# Allegro board reServer J2032_V1.brd (continued)
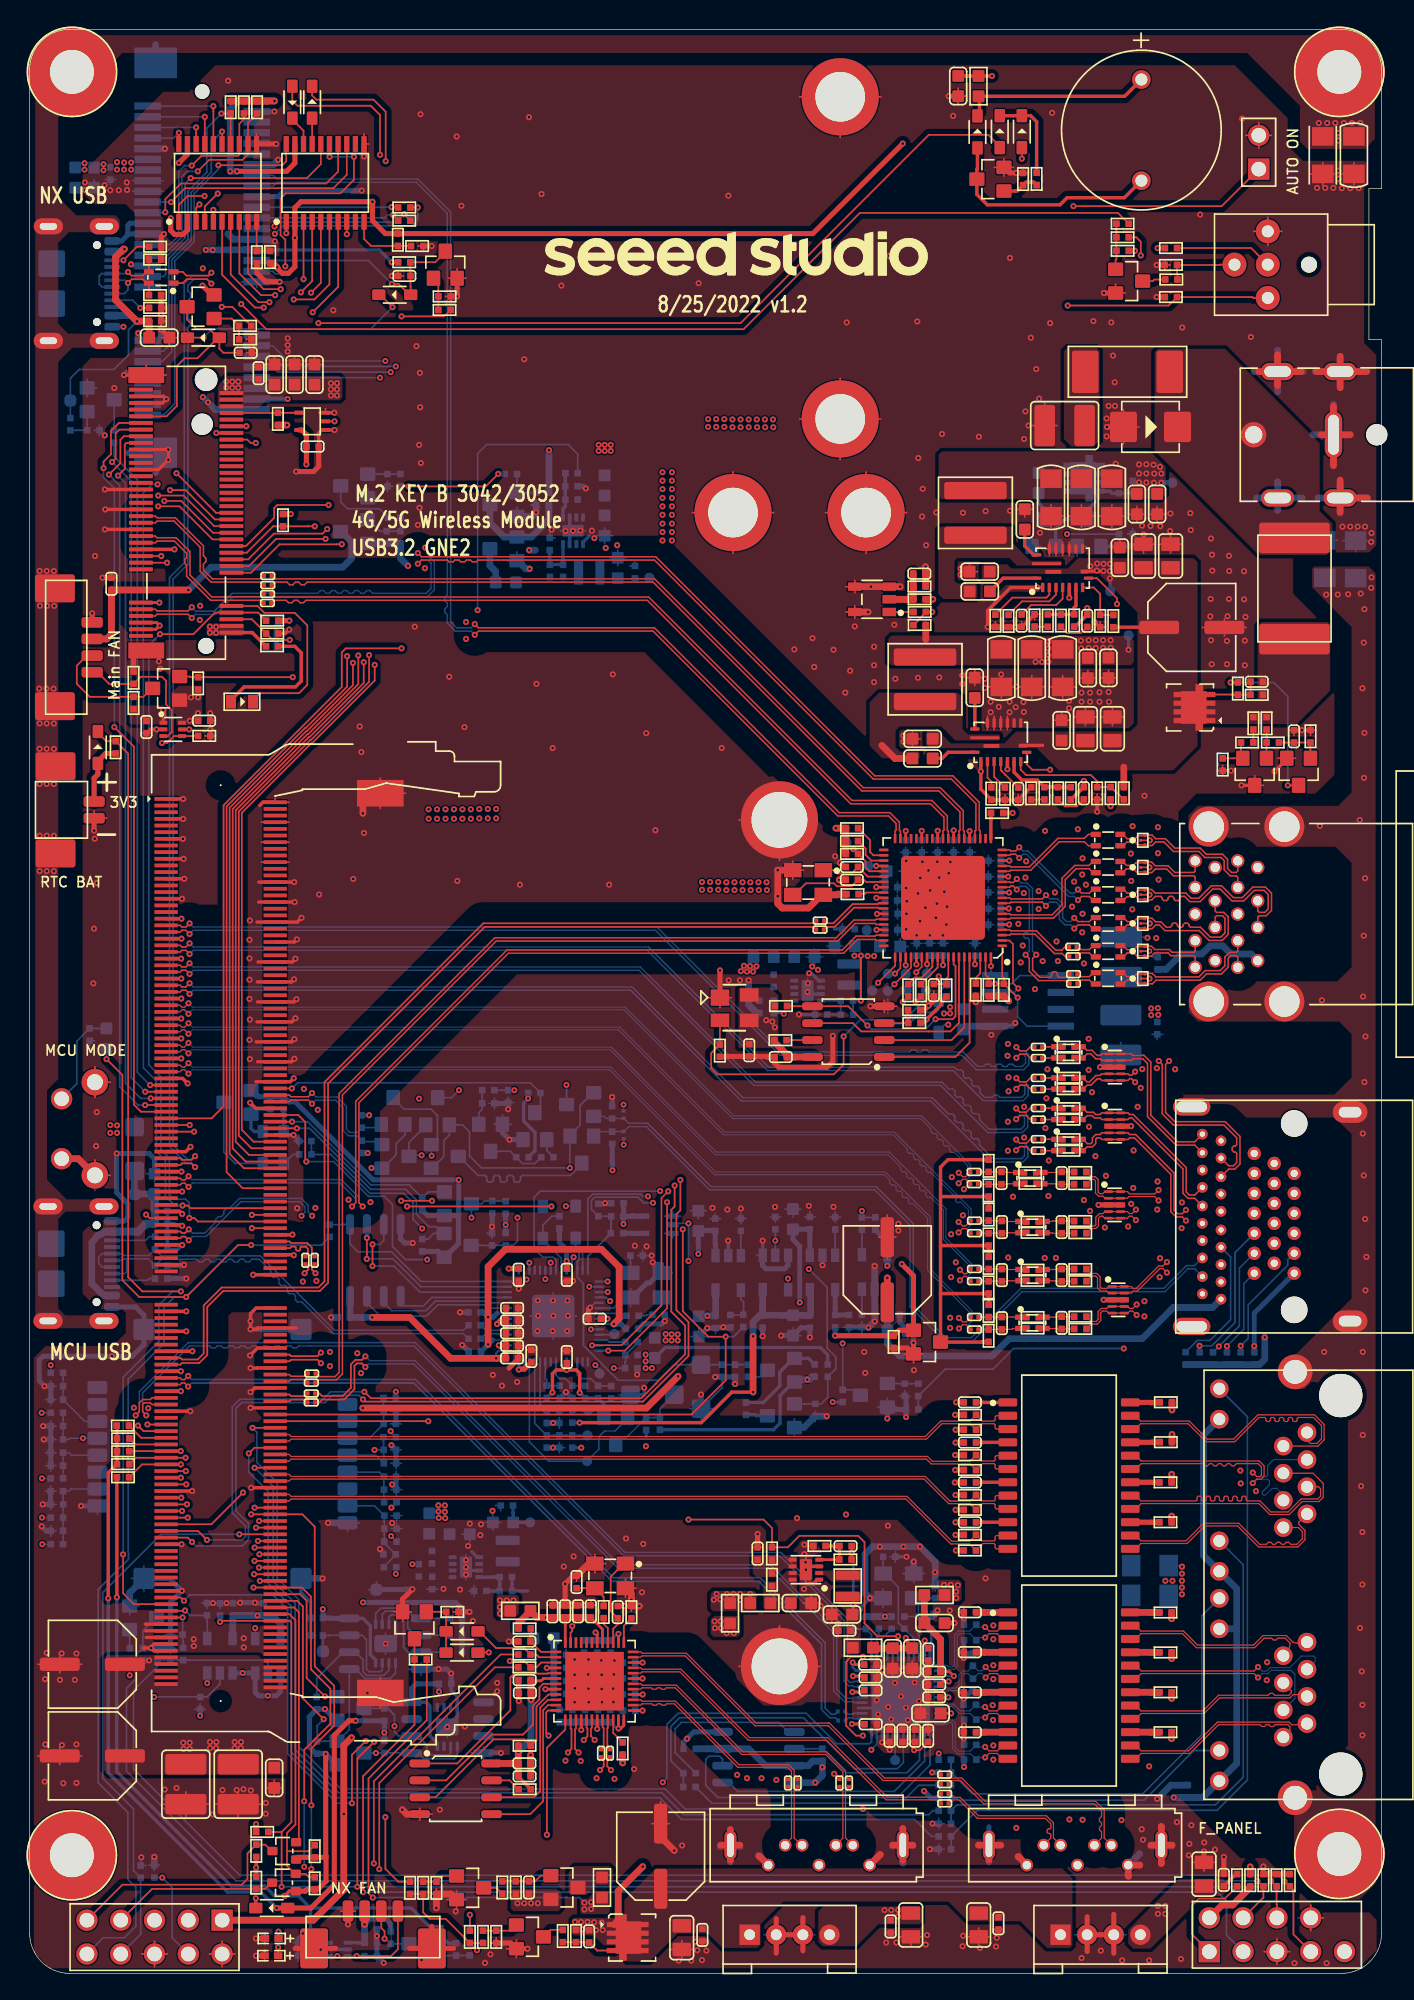
[diagram p0: board, top side]
## Routing (per net, layer and track width the routed paths; a pad name or vN(x,y) marks a point on that pad's centre or on a via; arc(x,y) is an arc through that point) (continued)
HUB_SSRX0_P: length 69.3
  TOP w0.109: C82.2 21.66,44.59 23.05,44.59 23.5,45.04 23.5,66 35.06,77.56 60.72,77.56 62.04,78.88 63.55,78.88 63.62,78.8 U17.53
HUB_SSRX1_N: length 9.9
  TOP w0.109: L8.1 79.91,83.54 79.61,83.24 78.54,83.24 77.58,82.28 77.58,80.27 76.84,79.53 73.73,79.53 73.66,79.6 U17.7
HUB_SSRX1_P: length 9.9
  TOP w0.109: U17.6 73.66,79.2 73.73,79.28 76.94,79.28 77.83,80.17 77.83,82.17 78.65,82.99 79.64,82.99 79.94,82.69 L8.4
HUB_SSRX2_N: length 8.1
  TOP w0.109: U17.16 73.66,83.2 73.73,83.13 75.13,83.13 77.27,85.27 79.27,85.27 79.57,85.57 L11.1
HUB_SSRX2_P: length 8.1
  TOP w0.109: L11.4 79.57,84.72 79.27,85.02 77.38,85.02 75.23,82.88 73.73,82.88 73.66,82.8 U17.15
HUB_SSRX3_N: length 59.3
  TOP w0.109: C248.2 18.35,103.16 19.27,103.16 19.45,102.98 19.71,102.98 19.88,103.16 20.14,103.16 20.32,102.98 20.58,102.98 20.76,103.16 46.42,103.16 61.7,87.87 67.7,87.87 68.72,86.85 68.72,85.9 68.64,85.82 U17.29
HUB_SSRX3_P: length 59.4
  TOP w0.109: U17.28 69.04,85.82 68.96,85.9 68.96,86.96 67.8,88.12 61.81,88.12 46.52,103.41 18.38,103.41 C247.2
HUB_SSTX0_N: length 5.2
  TOP w0.127: U17.49 63.81,80.4 63.74,80.33 61.85,80.33 60.4,78.89 59.89,78.89 C85.2
HUB_SSTX0_P: length 5.2
  TOP w0.127: U17.50 63.85,80 63.79,80.07 61.96,80.07 60.51,78.62 59.88,78.62 C84.2
HUB_SSTX1_N: length 5.8
  TOP w0.109: U17.4 73.66,78.4 73.73,78.33 75.66,78.33 77.12,76.87 77.42,76.87 77.57,76.88 77.57,76.88 77.8,77.12 C147.1
HUB_SSTX1_N1: length 1.7
  TOP w0.109: L9.1 79.94,77.22 79.64,76.92 78.89,76.92 C147.2
HUB_SSTX1_P: length 5.8
  TOP w0.109: C148.1 77.82,76.4 77.58,76.63 77.57,76.63 77.42,76.62 77.01,76.62 75.56,78.08 73.73,78.08 73.66,78 U17.3
HUB_SSTX1_P1: length 1.6
  TOP w0.109: L9.4 79.94,76.37 79.64,76.67 78.95,76.67 C148.2
HUB_SSTX2_N: length 12.7
  TOP w0.109: v1(75.65,76.53) 75.38,76.26 75.38,75.39 75.93,74.84 76.69,74.84 76.8,74.95 76.8,75.13 76.91,75.24 77.13,75.24 77.24,75.13 77.24,74.95 77.35,74.84 77.94,74.84 C149.1 ; U17.13 73.66,82 73.71,81.95 73.91,81.95 v1(74.18,82.23)
  BOTTOM w0.109: v1(75.65,76.53) 75.37,76.81 75.37,81.52 74.97,81.92 74.49,81.92 v1(74.18,82.23)
HUB_SSTX2_N1: length 1.6
  TOP w0.109: L12.1 79.94,75.18 79.64,74.88 78.92,74.88 C149.2
HUB_SSTX2_P: length 12.7
  TOP w0.109: C150.1 77.94,74.59 75.82,74.59 75.13,75.29 75.13,76.26 v1(74.85,76.53) ; v1(74.18,81.43) 73.91,81.71 73.76,81.71 73.66,81.6 U17.12
  BOTTOM w0.109: v1(74.18,81.43) 74.43,81.67 74.86,81.67 75.12,81.41 75.12,78.32 75.01,78.21 74.82,78.21 74.71,78.1 74.71,77.89 74.82,77.78 75.01,77.78 75.12,77.67 75.12,76.8 v1(74.85,76.53)
HUB_SSTX2_P1: length 1.6
  TOP w0.109: L12.4 79.94,74.33 79.64,74.63 79,74.63 C150.2
HUB_SSTX3_N: length 61.3
  TOP w0.109: C246.2 18.39,104.52 19.34,104.52 19.54,104.32 19.77,104.32 19.97,104.52 20.21,104.52 20.41,104.32 20.65,104.32 20.85,104.52 46.85,104.52 62.54,88.84 68.33,88.84 69.92,87.25 69.92,85.9 69.84,85.82 U17.26
HUB_SSTX3_P: length 61.4
  TOP w0.109: C245.2 18.39,104.77 46.96,104.77 62.65,89.08 68.44,89.08 70.16,87.36 70.16,85.9 70.24,85.82 U17.25
HUP_SPI_CLK: length 16.5
  TOP w0.127: U18.6 61.88,71.39 62.49,70.77 66.34,70.77 67.55,70.77 67.56,70.77 69.2,70.77 69.84,71.41 U17.70
HUP_SPI_CS: length 13.3
  TOP w0.127: U17.72 70.63,76.34 70.63,76.24 70.63,73.12 70.64,73.11 70.64,69.93 69.56,68.85 U18.1
HUP_SPI_SI: length 18.3
  TOP w0.127: v1(62.96,71.22) 61.52,72.66 U18.5 57.38,72.66 57.36,72.68 R129.2 ; v1(68.08,71.69) 69.36,71.69 69.58,71.91 69.58,75.67 69.44,75.81 U17.69
  BOTTOM w0.127: v1(62.96,71.22) 63.23,70.95 67.34,70.95 v1(68.08,71.69)
HUP_SPI_SO: length 11.7
  TOP w0.127: U18.2 69.28,70.12 70.24,71.08 U17.71
HUP_SPI_WP: length 5.8
  TOP w0.121: U18.3 65.57,71.39 65.58,71.41 R128.2 66.02,71.84 66.01,71.86 R130.1
  TOP w0.127: v1(66,71.89) 66,72.36 R130.1
  BOTTOM w0.127: TP21.1 67.36,73.23 66.75,72.62 66.73,72.62 v1(66,71.89)
I2C1_SCL: length 110.6
  TOP w0.127: v1(28.15,132.16) 28.15,132.14 R228.2 ; v1(11.35,39.24) J5.189 7.94,39.24 7.92,39.22 R89.2
  LYR3 w0.127: v1(11.35,39.24) 11.94,39.24 12.84,40.14 12.84,90.2 15.58,92.95 15.58,114.83 16.7,115.95 16.7,130.66 17.28,131.25 v1(18.4,131.25)
  BOTTOM w0.127: v1(28.15,132.16) 27.57,131.58 18.73,131.58 v1(18.4,131.25)
I2C1_SDA: length 113
  TOP w0.127: v1(11.72,38.74) J5.191 7.96,38.74 R90.2 ; v1(29.17,132.67) 28.61,132.67 R229.2
  LYR3 w0.127: v1(11.72,38.74) 12.55,38.74 13.07,39.25 13.07,89.85 15.96,92.74 15.96,114.64 17.05,115.73 17.05,130.41 17.34,130.69 v1(18.43,130.69)
  BOTTOM w0.127: v1(29.17,132.67) 29.17,131.73 28.74,131.3 19.03,131.3 v1(18.43,130.69)
I2C2_SCL: length 21.5
  TOP w0.127: J5.232 20.32,28.49 20.81,28 20.81,22.19 v1(22.19,20.81)
  BOTTOM w0.127: U34.6 27,22.78 26.61,22.39 25.34,22.39 25.05,22.67 25.05,23.57 24.5,24.13 U30.6 23.55,24.13 21.58,22.16 R247.2 22.15,20.77 v1(22.19,20.81) 22.21,20.79 Q35.2
I2C2_SDA: length 25.3
  TOP w0.127: J5.234 20.11,27.99 20.53,27.57 20.53,20.66 v1(22.09,19.1)
  BOTTOM w0.127: U34.5 27.5,22.57 27.09,22.16 25.2,22.16 24.5,22.86 U30.5 24.02,18.31 23.15,17.44 Q34.2 22.2,17.44 22.19,17.44 R245.2 21.6,18.6 v1(22.09,19.1)
I2S1_LRCK: length 93
  TOP w0.127: J5.224 v1(17.23,30.49) ; J15.28 16.25,107.23 18.37,109.36 18.37,110.09 18.6,110.32 v1(22.46,110.32)
  LYR3 w0.127: v1(22.46,110.32) 23.05,109.73 23.05,86.68 18.42,82.05 18.42,31.12 17.79,30.49 v1(17.23,30.49)
I2S1_SCLK: length 91.5
  TOP w0.127: v1(23.46,107.37) 23.08,107.37 23.07,107.36 18.77,107.36 16.64,105.23 J15.20 ; J5.226 v1(16.87,29.99)
  LYR3 w0.127: v1(16.87,29.99) 17.85,29.99 18.78,30.92 18.78,81.87 23.46,86.55 v1(23.46,107.37)
I2S1_SDIN: length 90.1
  TOP w0.127: v1(22.36,108.52) 22.01,108.17 18.36,108.17 16.42,106.23 J15.24 ; J5.222 v1(16.89,30.99)
  LYR3 w0.127: v1(16.89,30.99) 17.5,30.99 18.07,31.55 18.07,82.26 22.67,86.86 22.67,108.21 v1(22.36,108.52)
I2S1_SDOUT: length 87.4
  TOP w0.127: J5.220 v1(17.27,31.49) ; v1(22.23,107.77) 18.52,107.77 16.48,105.74 J15.22
  LYR3 w0.127: v1(17.27,31.49) 17.71,31.93 17.71,82.48 22.23,87 v1(22.23,107.77)
ID_I2C_SCL: length 3.2
  TOP w0.127: R87.2 8.38,40.24 J5.185
ID_I2C_SDA: length 3
  TOP w0.127: R88.2 7.94,39.74 J5.187
JMB_SPI_CS: length 14.5
  TOP w0.127: U21.5 38.96,22.55 38.93,22.52 36.41,22.52 36.13,22.23 36.13,19.77 32.13,15.77 U20.1
JMB_SPI_HOLD: length 2.3
  TOP w0.127: R265.2 36.07,14.5 U20.7
JMB_SPI_SCK: length 11.5
  TOP w0.127: U20.6 37.9,13.23 38.36,13.7 38.36,19.97 38.94,20.55 U21.10
JMB_SPI_SI: length 12.2
  TOP w0.127: U20.5 37.62,11.96 38.59,12.94 38.59,19.78 38.96,20.15 U21.11
JMB_SPI_SO: length 14.6
  TOP w0.127: U21.7 38.93,21.75 38.93,21.76 38.59,21.76 38.31,21.48 38.31,20.6 37.83,20.12 37.83,18.7 37.07,17.94 34.73,17.94 31.29,14.5 U20.2
JMB_SPI_WP: length 15.3
  TOP w0.127: U21.9 38.99,20.95 38.08,20.05 38.08,17.53 R131.2 37.17,17.58 34.86,17.58 30.51,13.23 U20.3
LAA_N79_TX_EN: length 84.5
  TOP w0.127: J15.60 16.35,115.24 16.61,114.98 v1(16.99,114.98) ; J5.199 v1(11.77,36.74)
  LYR3 w0.127: v1(11.77,36.74) 12.83,36.74 13.29,37.2 13.29,85.94 16.32,88.96 16.32,114.31 v1(16.99,114.98)
LED0: length 19.3
  BOTTOM w0.127: R94.2 51.26,12.78 65.47,12.78 66.81,14.13 R108.1
LED0_CTRL: length 3.5
  TOP w0.127: Q12.1 81.61,128.73 81.68,128.79 R81.2 81.68,129.99 81.67,129.99 R85.2 81.67,131.01 81.68,131.01 R83.2
LED0_SPI_SI: length 26.7
  BOTTOM w0.127: U16.30 65.66,18.03 65.66,15.83 65.21,15.37 61.99,15.37 58.15,19.21 48.85,19.21 48.19,18.55 48.19,15.98 R96.1 49.13,14.6 49.12,14.6 R94.1
LED3: length 7.3
  LYR3 w0.127: v1(63.26,16.8) 63.8,16.26 68.05,16.26 v1(68.32,16.52)
  BOTTOM w0.127: U16.35 63.67,17.45 63.66,17.44 63.66,17.2 v1(63.26,16.8) ; v1(68.32,16.52) R109.1
M2_RESET: length 83.5
  TOP w0.127: R214.2 15.23,125.2 v1(14.44,125.2) ; J5.124 12.07,57.49 11.87,57.69 v1(11.49,57.69)
  LYR3 w0.127: v1(9.61,111.87) 8.54,112.94 8.54,120.96 12.79,125.2 v1(14.44,125.2)
  BOTTOM w0.127: v1(9.61,111.87) 9.18,111.87 8.54,111.23 8.54,68.03 9.51,67.06 9.51,64.91 9.52,64.91 9.52,61.77 10.2,61.09 10.2,58.4 10.91,57.69 v1(11.49,57.69)
M2_USB3_RXN: length 12.3
  TOP w0.109: J15.29 9.44,107.49 9.57,107.61 10.87,107.61 11.8,106.69 11.8,106.36 11.67,106.24 11.67,105.93 11.8,105.8 11.8,104.96 13.59,103.16 17.39,103.16 C248.1
M2_USB3_RXP: length 12.3
  TOP w0.109: J15.31 9.44,107.99 9.57,107.86 11,107.86 12.04,106.82 12.04,105.06 13.7,103.41 17.38,103.41 C247.1
M2_USB3_TXN: length 12.4
  TOP w0.109: C246.1 17.4,104.52 13.63,104.52 12.81,105.34 12.81,107.15 10.85,109.11 9.57,109.11 9.44,108.99 J15.35
M2_USB3_TXP: length 12.5
  TOP w0.109: J15.37 9.44,109.49 9.57,109.36 10.95,109.36 13.06,107.25 13.06,106.5 13.24,106.32 13.24,106.06 13.06,105.88 13.06,105.44 13.73,104.77 17.4,104.77 C245.1
M2E_SUSCLK_32KHZ: length 5.1
  TOP w0.127: J15.68 18.2,117.24 18.21,117.25 R93.2 19.69,117.25 19.69,117.26 U14.4
M.2_ANTCTL0: length 53.5
  TOP w0.127: 7.15,113.56 7.15,114.86 7.27,114.99 J15.59 ; 7.15,113.56 7.15,113.04 v1(6.64,112.53) ; 7.15,113.56 7.15,113.36 ; J5.91 v1(9.1,65.74)
  BOTTOM w0.127: v1(9.1,65.74) 8.34,65.74 7.2,66.89 7.2,111.97 v1(6.64,112.53) 6.59,112.48 6.56,112.48
M.2_ANTCTL1: length 55
  TOP w0.127: J15.61 7.08,115.49 6.82,115.22 6.82,113.47 v1(5.95,112.61) ; J5.93 v1(8.68,65.24)
  BOTTOM w0.127: v1(5.95,112.61) 6.77,111.79 6.77,66.61 8.13,65.24 v1(8.68,65.24)
M.2_ANTCTL2: length 54.2
  TOP w0.127: v1(6.2,113.55) 6.46,113.82 6.46,115.71 6.74,115.99 J15.63 ; J5.89 v1(8.68,66.24)
  BOTTOM w0.127: v1(6.2,113.55) 7.63,112.12 7.63,67.3 v1(8.68,66.24)
M.2_ANTCTL3: length 56.9
  TOP w0.127: v1(5.55,113.09) 5.55,113.57 6.11,114.13 6.11,115.88 6.71,116.49 J15.65 ; v1(6.36,93.63) 7.83,92.16 7.83,65.27 8.37,64.74 J5.95
  BOTTOM w0.127: v1(6.36,93.63) 6.36,111.59 5.55,112.4 v1(5.55,113.09)
M.2_DPR: length 73.8
  TOP w0.127: J5.195 v1(11.73,37.74) ; J15.25 v1(9.89,106.49)
  LYR3 w0.127: v1(9.89,106.49) 9.89,105.52 10.86,104.55 10.86,92.11 10.25,91.5 10.25,68.74 10.93,68.05 10.93,63.46 10.55,63.08 10.55,38.21 11.02,37.74 v1(11.73,37.74)
M.2_MODULE_EN: length 76.3
  TOP w0.127: v1(17,33.49) 17.01,33.49 J5.212 ; J15.6 16.7,101.74 R220.1 18.25,100.18 v1(19.54,100.18)
  LYR3 w0.127: v1(17,33.49) 16.11,33.49 15.15,34.45 15.15,83.67 19.27,87.8 19.27,99.92 v1(19.54,100.18)
M.2_STATUS_LED: length 15.5
  TOP w0.127: J15.10 17.12,102.74 17.64,102.22 19.92,102.22 20.86,101.28 20.86,96.81 20.24,96.18 17.3,96.18 16.78,95.66 LED3.2
M.2_USIM_CLK: length 80
  TOP w0.121: J15.32 13.78,108.23 11.39,110.62 v1(10.12,110.62)
  LYR3 w0.121: v1(10.12,110.62) 10.12,111.23 9.89,111.46 9.38,111.46 7.5,109.58 7.5,46.59 6.61,45.7 v1(1.58,45.7)
  BOTTOM w0.121: R212.1 v1(1.58,45.7)
M.2_USIM_DATA: length 81.3
  TOP w0.121: v1(9.66,111.03) 11.57,111.03 13.86,108.74 J15.34
  LYR3 w0.121: v1(9.66,111.03) 7.78,109.15 7.78,46.16 3.74,42.12 v1(0.9,42.12)
  BOTTOM w0.121: R213.1 v1(0.9,42.12)
M.2_USIM_PWR: length 87.4
  TOP w0.121: 15.15,109.23 J15.36
  TOP w0.127: v1(10.55,111.44) 11.72,111.44 13.92,109.23 J15.36
  LYR3 w0.121: v1(0.92,34.25) 1.46,34.78 1.46,38.67 8.34,45.55 8.34,107.8
  LYR3 w0.127: v1(10.55,111.44) 10.55,110.01 8.34,107.8
  BOTTOM w0.121: R210.1 v1(0.92,34.25)
M.2_USIM_RESET: length 83.8
  TOP w0.121: v1(9.66,110.22) 11.26,110.22 13.74,107.74 J15.30
  LYR3 w0.121: v1(0.93,37.19) 0.93,38.72 8.06,45.85 8.06,108.62 v1(9.66,110.22)
  BOTTOM w0.121: R211.1 v1(0.93,37.19)
M.2_W_DISABLE1#: length 61.5
  TOP w0.127: J5.128 12.64,56.49 12.38,56.75 v1(12,56.75) ; R218.2 17.16,102.24 J15.8 13.92,102.24 12.3,100.62 v1(9.79,100.62)
  BOTTOM w0.127: v1(12,56.75) 12,57.89 11.72,58.17 10.83,58.17 10.5,58.5 10.5,61.25 9.86,61.88 9.86,67.34 8.95,68.26 8.95,99.78 v1(9.79,100.62)
M.2_W_DISABLE2#: length 62.5
  TOP w0.127: v1(21.42,108.72) 20.92,108.72 20.92,108.72 R219.2 18.3,108.72 16.31,106.74 J15.26 ; J5.126 v1(16.7,56.99)
  LYR3 w0.127: v1(21.42,108.72) 21.42,87.36 16.97,82.9 16.97,57.26 v1(16.7,56.99)
M.2_WLAN_TX_EN: length 85
  TOP w0.127: v1(11.03,112.71) 14.01,109.74 J15.38 ; J5.197 v1(11.36,37.24)
  LYR3 w0.127: v1(11.03,112.71) 11.49,112.25 11.49,109.1 9.46,107.07 9.46,105.34 10.55,104.25 10.55,92.36 9.89,91.7 9.89,68.61 10.55,67.95 10.55,63.63 10.14,63.23 10.14,37.88 10.78,37.24 v1(11.36,37.24)
M.2_WOWWAN#: length 75.2
  TOP w0.127: R216.2 8.44,38.24 J5.193 v1(11.36,38.24) ; J15.23 v1(10.32,105.99)
  LYR3 w0.127: v1(10.32,105.99) 11.21,105.1 11.21,92.03 10.63,91.45 10.63,68.87 11.34,68.16 11.34,63.33 10.93,62.92 10.93,38.67 v1(11.36,38.24)
MCU_ADC0: length 7
  BOTTOM w0.127: U10.38 38.35,42.78 C75.1 39.36,42.28 39.37,42.28 R64.1 40.32,42.28 40.34,42.3 R62.2 41.4,42.3 41.4,42.3 TP29.1
MCU_ADC1: length 9
  BOTTOM w0.127: TP30.1 41.35,40.42 41.35,40.42 R61.2 40.34,40.42 40.33,40.42 R63.1 39.37,40.42 39.37,40.42 C76.1 37.95,41.32 U10.39
MCU_ADC2: length 15.9
  BOTTOM w0.121: Q39.2 44.93,41.7 43.99,40.75 43.22,40.75 42.78,40.32 42.78,39.38 TP31.1
  BOTTOM w0.127: U10.40 37.55,39.93 39,38.49 TP31.1
MCU_BUZZER_EN: length 118.2
  TOP w0.121: v1(43.48,46.78) 44.73,46.78 47.9,49.96 47.9,55.86
  TOP w0.127: 47.9,55.86 v1(47.9,57.93) ; D10.1 v1(74.57,136.34)
  LYR3 w0.127: v1(47.9,57.93) 48.3,58.33 62.47,58.33 70.27,66.12 70.27,73.59 71.89,75.22 71.89,86.2 77.61,91.92 77.61,106.95 78.9,108.24 78.9,134.88 77.44,136.34 v1(74.57,136.34)
  BOTTOM w0.127: U10.28 v1(43.48,46.78)
MCU_DEBUG_RX: length 88.5
  LYR3 w0.127: J2.3 11.92,7.63 13.07,8.77 43.8,8.77 48.63,13.6 48.63,34.22 44.64,38.21 44.64,48.92 42.73,50.83 42.73,52.25 42.15,52.84 39.71,52.84 v1(39.15,53.39)
  BOTTOM w0.127: U10.7 v1(39.15,53.39)
MCU_DEBUG_TX: length 90.1
  LYR3 w0.127: J2.5 10.65,5.26 10.65,7.96 11.9,9.2 43.67,9.2 48.35,13.88 48.35,34.18 44.31,38.22 44.31,48.88 42.48,50.71 42.48,52.11 42.03,52.56 39.16,52.56 v1(38.75,52.15)
  BOTTOM w0.127: v1(38.75,52.15) U10.6
MCU_I2C0_SCL: length 52.8
  LYR3 w0.127: v1(37.55,53.39) 31.32,53.39 29.17,51.24 29.17,20.33 v1(27.42,18.57)
  BOTTOM w0.127: U10.3 v1(37.55,53.39) ; U29.6 31.63,16.52 31.53,16.42 30.08,16.42 29.85,16.64 29.85,17.15 29.18,17.83 U28.6 27.74,17.83 27.42,18.15 v1(27.42,18.57) 27.42,19.41 26.93,19.9 R248.2 25.89,19.9 25.88,19.9 Q35.3
MCU_I2C0_SDA: length 53.3
  LYR3 w0.127: v1(26.02,16.56) 29.54,20.08 29.54,51.08 30.59,52.13 v1(37.35,52.13)
  BOTTOM w0.127: 37.15,53.09 U10.2 37.15,52.32 v1(37.35,52.13) ; U29.5 32.13,16.33 31.91,16.11 29.63,16.11 29.18,16.56 U28.5 27.1,16.56 27.09,16.56 R246.2 26.21,16.56 26.21,16.56 v1(26.02,16.56) Q34.3
MCU_RESET: length 85.1
  LYR3 w0.127: v1(9.97,7.2) 9.97,8.49 11.08,9.61 43.49,9.61 47.99,14.1 47.99,33.97 43.9,38.06 v1(43.9,45.47)
  BOTTOM w0.127: FB14.2 45.7,47.39 44.74,46.44 ; v1(43.9,45.47) C71.1 44.74,45.94 44.79,45.99 44.79,46.39 44.74,46.44 ; D64.2 9.96,7.2 v1(9.97,7.2) 10.7,6.46 10.7,2.67 J2.4 ; 44.74,46.44 44.74,46.44 R54.1
MCU_SWCLK: length 4.5
  LYR3 w0.127: v1(42.18,48.38) 41.86,48.06 41.86,46.36 v1(42.52,45.7)
  BOTTOM w0.127: TP33.1 42.83,45.39 v1(42.52,45.7) ; U10.24 v1(42.18,48.38)
MCU_SWDIO: length 1.2
  BOTTOM w0.127: TP32.1 43.89,47.98 U10.25
MCU_USB_MODE: length 92.1
  TOP w0.127: v1(16.65,54.72) 15.66,54.72 v1(11.76,50.82) 8.23,50.82 6.97,52.08 6.97,67.5 v1(5.78,68.69)
  BOTTOM w0.127: FB13.1 5.78,69.46 v1(5.78,68.69) ; v1(11.76,50.82) 10.87,50.82 10.09,50.05 10.09,47.33 7.4,44.63 7.4,31.67 7.42,31.64 7.42,31.12 5.14,28.84 5.14,14.33 7.38,12.1 7.38,7.07 7.99,6.46 7.99,3.54 7.12,2.67 5.52,2.67 J2.10 ; R51.1 21.93,54.72 v1(16.65,54.72)
MCU_USB_N: length 33.5
  BOTTOM w0.109: 7.3,53.68 7.27,53.66 7.27,52.71 7.13,52.57 J17.B7 ; 7.3,53.68 8.61,53.68 8.63,53.68 8.91,53.68 D52.2 9.9,53.66 12.56,53.66 12.76,53.45 12.99,53.45 13.2,53.66 13.43,53.66 13.64,53.45 13.87,53.45 14.07,53.66 14.3,53.66 14.51,53.45 14.74,53.45 14.95,53.66 15.18,53.66 15.38,53.45 15.61,53.45 15.82,53.66 16.05,53.66 16.26,53.45 16.49,53.45 16.7,53.66 17.23,53.66 18.12,52.77 18.12,52.46 18.28,52.3 18.58,52.3 18.74,52.15 18.74,51.84 18.89,51.68 19.2,51.68 19.36,51.53 19.36,51.22 19.51,51.07 19.82,51.07 19.98,50.91 19.98,50.6 20.13,50.45 20.44,50.45 22.82,48.07 32.6,48.07 R57.2 ; 7.3,53.68 7.07,53.68 6.96,53.57 J17.A7
MCU_USB_P: length 32.4
  BOTTOM w0.109: R58.2 32.6,48.32 22.92,48.32 17.33,53.91 9.9,53.91 D51.2 8.96,53.93 8.68,53.93 8.61,53.93 7.1,53.93 6.96,54.07 J17.B6 5.45,54.07 5.19,53.82 5.19,53.33 5.45,53.07 J17.A6
MDIN0: length 8.2
  TOP w0.084: T1.3 73.12,25.12 72.72,25.52 72.11,25.52 v1(71.81,25.23)
  BOTTOM w0.084: U16.14 68.93,22.74 69.04,22.84 69.48,22.84 69.7,23.06 69.71,24.81 69.71,25.36 69.87,25.52 70.66,25.52 D68.2 71.34,25.23 v1(71.81,25.23)
MDIN1: length 6.9
  TOP w0.084: T1.6 73.12,22.12 72.72,22.52 72.14,22.52 v1(71.85,22.23)
  BOTTOM w0.084: v1(71.85,22.23) 71.54,22.54 71.29,22.54 D70.2 70.52,22.52 70.22,22.52 70.03,22.33 70.03,21.54 69.73,21.24 69.04,21.24 68.93,21.14 U16.18
MDIN2: length 6
  TOP w0.084: v1(71.81,19.23) 72.11,19.52 72.72,19.52 73.12,19.12 T1.9
  BOTTOM w0.084: U16.21 68.93,19.94 69.04,20.04 69.34,20.04 69.85,19.52 70.69,19.52 D72.2 71.31,19.23 v1(71.81,19.23)
MDIN3: length 7.8
  TOP w0.084: T1.12 73.12,16.12 72.72,16.52 72.11,16.52 v1(71.81,16.23)
  BOTTOM w0.084: v1(71.81,16.23) 71.31,16.23 D74.2 70.72,16.5 69.75,16.5 69.36,16.89 69.36,18.75 69.27,18.84 69.04,18.84 68.93,18.74 U16.24
MDIP0: length 8.2
  TOP w0.084: T1.2 73.12,26.12 72.71,25.72 72.11,25.72 v1(71.81,26.02)
  BOTTOM w0.084: U16.13 68.93,23.14 69.04,23.04 69.4,23.04 69.5,23.14 69.51,24.81 69.51,25.44 69.79,25.72 70.66,25.72 D67.2 71.32,26.02 v1(71.81,26.02)
MDIP1: length 6.9
  TOP w0.084: v1(71.85,23.02) 72.14,22.72 72.71,22.72 73.11,23.12 T1.5
  BOTTOM w0.084: 70.88,23.08 70.52,22.71 70.14,22.71 69.83,22.41 69.83,21.62 69.65,21.44 69.04,21.44 68.93,21.54 U16.17 ; 70.88,23.08 D69.2 ; 70.88,23.08 70.94,23.08 71.29,22.74 71.56,22.74 v1(71.85,23.02)
MDIP2: length 6
  TOP w0.084: T1.8 73.11,20.12 72.71,19.72 72.11,19.72 v1(71.81,20.02)
  BOTTOM w0.084: U16.20 68.93,20.34 69.04,20.24 69.42,20.24 69.93,19.72 70.66,19.72 D71.2 71.28,20.02 v1(71.81,20.02)
MDIP3: length 7.8
  TOP w0.084: T1.11 73.13,17.12 72.73,16.72 72.11,16.72 v1(71.81,17.02)
  BOTTOM w0.084: v1(71.81,17.02) 71.3,17.02 D73.2 70.68,16.69 69.83,16.69 69.55,16.97 69.55,18.84 69.36,19.04 69.04,19.04 68.93,19.14 U16.23
MOD_SLEEPN: length 147.2
  TOP w0.127: J5.178 49.74,41.99 52.31,44.56 v1(52.31,47.84) 50.99,47.84 49.08,49.74 v1(49.08,55.9) ; v1(83.51,129.07) 83.51,130.1 83.17,130.44 R85.1
  LYR3 w0.127: v1(49.08,55.9) 61.73,55.9 71.43,65.6 71.43,72.09 73.24,73.9 73.24,77.91 72.86,78.29 72.86,85.17 82.13,94.44 82.13,127.69 v1(83.51,129.07)
  BOTTOM w0.127: R152.1 52.9,47.84 v1(52.31,47.84)
Net_10: length 0
  BOTTOM w0.127: 37.15,45.93 37.16,45.93
OVCUR0: length 2.8
  TOP w0.127: U17.41 64.19,83.61 63.25,83.61 62.82,84.03 62.82,84.51 R117.2
OVCUR3: length 1.9
  TOP w0.254: U17.20 72.24,86.67 72.25,86.67 R120.2
OVCUR4: length 3.3
  TOP w0.127: U17.40 63.41,84 63.15,84.26 63.15,85.15 R121.2
P_RXN0: length 63.9
  TOP w0.127: C176.2 21.21,53.09 21.21,52.88 v1(21.48,52.61) ; U21.17 41.85,18.46 41.92,18.4 41.92,17.81 v1(41.64,17.54)
  LYR3 w0.089: v1(21.48,52.61) 21.16,52.28 21.16,50.72 21.29,50.58 21.29,50.36 21.16,50.22 21.16,50.01 21.29,49.87 21.29,49.65 21.16,49.51 21.16,49.3 21.29,49.16 21.29,48.94 21.16,48.8 21.16,48.59 21.29,48.45 21.29,48.23 21.16,48.09 21.16,47.87 21.29,47.74 21.29,47.52 21.16,47.38 21.16,15.84 22.41,14.59 41.13,14.59 41.95,15.4 41.95,17.23 v1(41.64,17.54)
P_RXP0: length 64.1
  TOP w0.127: C177.2 20.94,53.08 20.94,52.88 v1(20.66,52.61) ; v1(42.46,17.54) 42.19,17.81 42.19,18.4 42.25,18.46 U21.18
  LYR3 w0.089: v1(42.46,17.54) 42.16,17.23 42.16,15.31 41.22,14.37 22.32,14.37 20.94,15.75 20.94,52.33 v1(20.66,52.61)
P_TXN0: length 2.3
  TOP w0.127: U21.20 43.05,18.51 43.14,18.42 43.14,17.02 C178.2
P_TXP0: length 2.3
  TOP w0.127: U21.21 43.45,18.47 43.41,18.42 43.41,17.02 C179.2
PCIE0_CLK_N: length 56.1
  TOP w0.127: v1(40.45,16.59) 40.72,16.86 40.72,18.34 40.65,18.4 U21.14 ; J5.160 19.53,46.49 19.64,46.37 21.62,46.37 v1(21.89,46.64)
  LYR3 w0.089: v1(40.45,16.59) 40.76,16.29 40.76,15.84 40.34,15.42 39.29,15.42 39.16,15.55 38.93,15.55 38.8,15.42 38.58,15.42 38.45,15.55 38.22,15.55 38.09,15.42 24.95,15.42 23.23,17.15 23.23,45.96 22.87,46.31 22.22,46.31 v1(21.89,46.64)
PCIE0_CLK_P: length 56.2
  TOP w0.127: v1(21.89,45.84) 21.62,46.11 19.64,46.11 19.53,45.99 J5.162 ; v1(41.25,16.59) 40.99,16.86 40.99,18.34 41.05,18.4 U21.15
  LYR3 w0.089: v1(41.25,16.59) 40.97,16.31 40.97,15.75 40.43,15.21 24.86,15.21 23.01,17.06 23.01,45.87 22.78,46.09 22.14,46.09 v1(21.89,45.84)
PCIE0_CLKREQ: length 46.2
  TOP w0.127: v1(29.96,41.49) 29.53,41.49 29.53,41.49 J5.180 ; v1(39,17.86) 38.82,18.04 38.82,19.61 38.96,19.75 U21.12
  LYR3 w0.127: v1(39,17.86) 31.02,17.86 29.96,18.93 v1(29.96,41.49)
PCIE0_RST: length 70.6
  TOP w0.127: v1(38.87,10.42) 38.87,16.95 40.25,18.33 U21.13 ; J5.181 v1(8.85,41.24)
  LYR3 w0.127: v1(8.85,41.24) 8.58,40.97 8.58,12.6 10.76,10.42 v1(38.87,10.42)
PCIE0_RX0_N: length 81.9
  TOP w0.127: J5.131 11.33,55.74 11.44,55.62 11.68,55.62 v1(11.95,55.9) ; v1(42.87,15.28) 43.14,15.56 43.14,15.67 43.14,16.07 C178.1
  LYR3 w0.089: v1(21.23,56.92) 20.94,56.63 20.94,54.08 20.15,53.29 20.15,15.22 21.76,13.61 42.69,13.61 43.17,14.08 43.17,14.98 v1(42.87,15.28)
  BOTTOM w0.109: v1(21.23,56.92) 20.93,57.21 20.93,57.7 20.41,58.22 15.76,58.22 15.01,57.47 14.8,57.47 14.59,57.26 14.59,57.06 14.39,56.85 14.18,56.85 13.97,56.64 13.97,56.44 13.15,55.61 12.24,55.61 v1(11.95,55.9)
PCIE0_RX0_P: length 82
  TOP w0.127: C179.1 43.41,16.07 43.41,15.56 v1(43.68,15.28) ; J5.133 11.33,55.24 11.44,55.35 11.68,55.35 v1(11.95,55.08)
  LYR3 w0.089: v1(20.43,56.92) 20.72,56.63 20.72,54.17 19.93,53.38 19.93,15.13 21.67,13.39 42.78,13.39 43.38,13.99 43.38,14.98 v1(43.68,15.28)
  BOTTOM w0.109: v1(20.43,56.92) 20.69,57.17 20.69,57.59 20.3,57.97 15.86,57.97 13.25,55.36 12.24,55.36 v1(11.95,55.08)
PCIE0_TX0_N: length 3.7
  TOP w0.127: C176.1 21.21,54.06 21.21,54.52 20.86,54.87 19.64,54.87 19.53,54.99 J5.134
PCIE0_TX0_P: length 3.7
  TOP w0.127: J5.136 19.55,54.49 19.67,54.61 19.93,54.61 20,54.54 20,54.39 20.09,54.3 20.27,54.3 20.33,54.36 20.33,54.52 20.41,54.59 20.76,54.59 20.91,54.44 20.91,54.04 C177.1
PCIE1_CLK_N: length 74.3
  TOP w0.109: v1(7.96,41.92) 8.24,42.2 8.24,42.86 8.5,43.11 9.07,43.11 9.2,43.24 J5.173
  BOTTOM w0.109: U16.45 61.95,21.94 61.87,21.86 61.65,21.86 61.45,22.05 61.45,26.63 56.45,31.63 44.74,31.63 28.98,47.39 21.25,47.39 21.14,47.39 20.99,47.39 11.91,47.39 8.24,43.72 8.24,42.2 v1(7.96,41.92)
PCIE1_CLK_P: length 74.4
  TOP w0.109: J5.175 9.2,42.74 9.07,42.86 8.6,42.86 8.49,42.75 8.49,42.2 v1(8.76,41.92)
  BOTTOM w0.109: v1(8.76,41.92) 8.49,42.2 8.49,43.62 12.01,47.14 13.52,47.14 13.66,47 13.96,47 14.1,47.14 14.39,47.14 14.54,47 14.83,47 14.98,47.14 15.27,47.14 15.41,47 15.71,47 15.85,47.14 16.14,47.14 16.29,47 16.58,47 16.72,47.14 17.02,47.14 17.16,47 17.45,47 17.6,47.14 17.89,47.14 18.03,47 18.33,47 18.47,47.14 18.76,47.14 18.91,47 19.2,47 19.34,47.14 19.64,47.14 19.78,47 20.07,47 20.22,47.14 20.99,47.14 21.14,47.14 28.87,47.14 44.64,31.38 56.35,31.38 61.2,26.52 61.2,21.95 61.54,21.61 61.87,21.61 61.95,21.54 U16.44
PCIE1_CLKREQ: length 85.4
  TOP w0.121: J5.182 v1(16.75,40.99)
  TOP w0.127: v1(62.62,23.78) 61.71,23.78 61.46,23.53 61.46,23.51 61.35,23.4 61.35,18.61 62.1,17.86 v1(62.62,17.86)
  LYR3 w0.127: v1(62.62,12.35) 62.62,12.73 62.62,12.74 62.62,17.48 62.62,17.48 v1(62.62,17.86)
  BOTTOM w0.121: v1(62.62,12.35) 49.26,12.35 47.76,13.85 23.4,13.85 20.23,17.03 20.23,28.07 18.6,29.7 18.6,36.86 17.08,38.39 17.08,40.66 v1(16.75,40.99)
  BOTTOM w0.127: v1(62.62,23.78) 62.57,23.73 U16.48
PCIE1_RST: length 95.1
  TOP w0.127: J5.183 8.55,40.74 v1(8.14,41.16)
  LYR3 w0.127: v1(8.14,41.16) 8.14,12.43 10.55,10.01 43.24,10.01 v1(47.58,14.35)
  BOTTOM w0.127: v1(47.58,14.35) 47.89,14.66 47.89,18.69 48.73,19.54 58.35,19.54 60.64,17.25 63.13,17.25 63.27,17.39 U16.36
PCIE1_RX0_N: length 64.1
  TOP w0.109: v1(11.91,44.89) 11.64,44.61 11.43,44.61 11.31,44.74 J5.167
  BOTTOM w0.127: v1(11.91,44.89) 12.18,44.62 28.98,44.62 43.88,29.73 54.9,29.73 59.78,24.85 59.78,19.94 60.25,19.47 60.53,19.47 C105.1
PCIE1_RX0_P: length 64.2
  TOP w0.109: J5.169 11.31,44.24 11.43,44.36 11.64,44.36 v1(11.91,44.09)
  BOTTOM w0.127: C104.1 60.55,19.2 60.14,19.2 59.51,19.83 59.51,24.74 54.79,29.46 43.76,29.46 28.87,44.35 12.18,44.35 v1(11.91,44.09)
PCIE1_TX0_N: length 2.6
  TOP w0.127: J5.172 19.53,43.49 19.64,43.37 20.69,43.37 C109.1
PCIE1_TX0_P: length 2.6
  TOP w0.127: J5.174 19.53,42.99 19.64,43.11 20.68,43.11 C108.1
PCIE_1PPS_CON: length 21.2
  TOP w0.121: v1(12.1,134.88) 20.84,134.88 21.88,135.92 U27.16
  BOTTOM w0.127: v1(12.1,134.88) 11.67,134.45 11.67,130.39 10.22,128.94 10.22,127.65 10.05,127.49 J16.19
PCIE_BUSY_CON: length 2.3
  TOP w0.127: D83.2 19.74,139.28 20.58,138.44 U27.18
PCIE_GPIO1_CON: length 18.3
  TOP w0.121: U27.14 23.18,135.37 22.29,134.47 11.36,134.47 10.19,133.31 v1(10.19,132.32)
  BOTTOM w0.127: J16.31 10.16,132.29 v1(10.19,132.32)
PCIE_GPIO2_CON: length 18.1
  TOP w0.121: U27.13 23.83,135.13 22.82,134.12 11.67,134.12 v1(10.63,133.08)
  BOTTOM w0.121: v1(10.63,133.08) 10.06,133.08 10.05,133.09 J16.33
PCIE_RESET_CON: length 18.1